# Altium PCB Copy of DIOT_temperature_logger.PcbDoc (part 3 of 7) (continued)
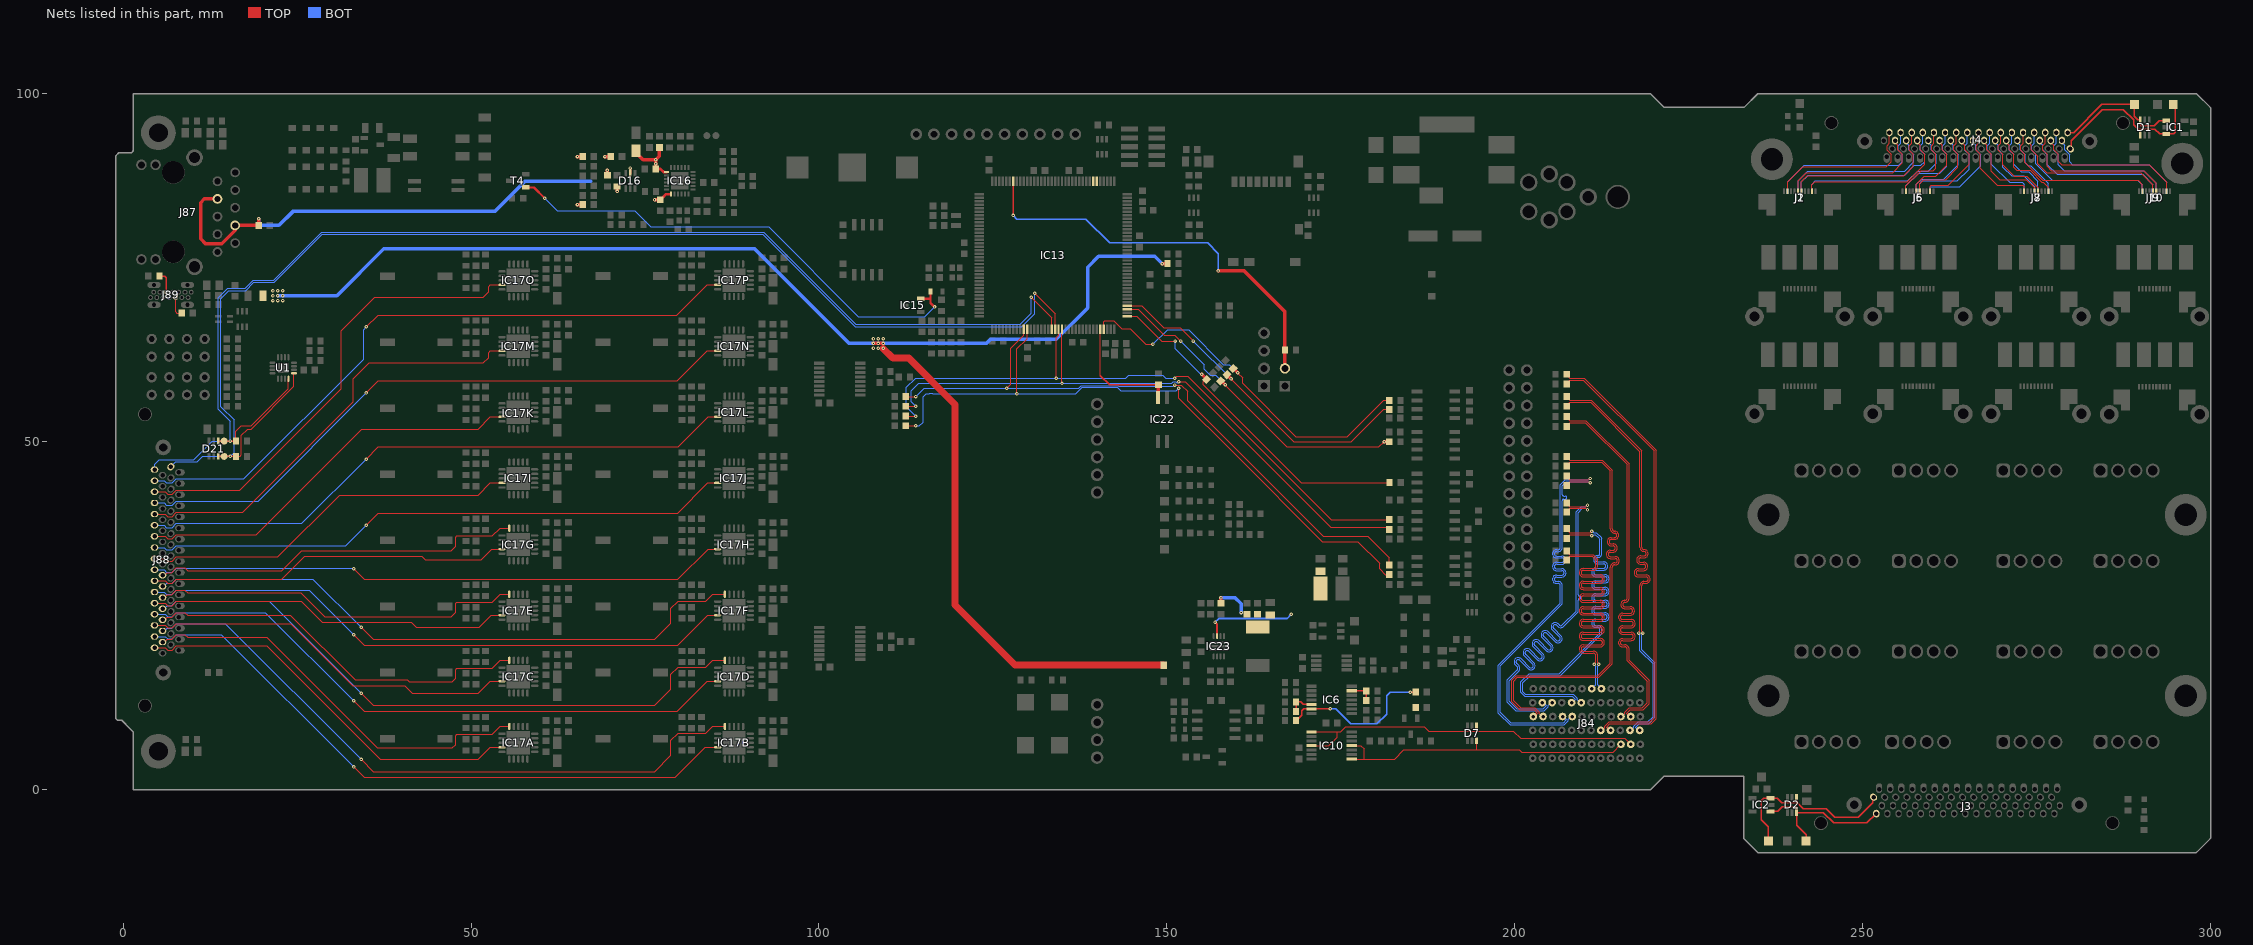
[diagram p5: the nets of this part, all layers, seen from the top]
## Part data (continued)
Q2: library part XTAL_32.768KHZ_ABRACON_ABS06-32.768KHZ-9, "Quartz Crystal", Manufacturer=ABRACON, Manufacturer Part Number=ABS06-32.768kHz-9, Author="CERN DEM JMW", Bonding=No, Component Type=Standard, ComponentHeight=0.6mm, CreateDate=12.08.2015, HelpURL=\\cern.ch\dfs\Applications\Altium\Datasheets\XTAL_ABRACON_ABS06.pdf, LatestRevisionDate=12.08.2015, Mounted=Yes, PackageDescription="2 Pins, 2.15x1.3mm, SMD Low Profile Crystal, ABS06 Series", Part Description="Tolerance: ±20ppm, -40°C to +85°C, 9pF, SMD Low Profile Crystal, ABS06 Series", Part Number=XTAL_32.768KHZ_ABRACON_ABS06-32.768KHZ-9, Pin Count=2, PressFit=No, Sense=No, SMD=Yes, Socket=No
R1 R4 R55 R78 R81 R82 R83 R84 R85 R87 R88 R159 R160: library part R0603_1K_1%_0.1W_100PPM, "Resistor - 1%", Case=0603, Manufacturer=GENERIC, Manufacturer1 ComponentHeight=0.55mm, Manufacturer1 Example="NIC COMPONENT", Manufacturer1 Part Number=NRC06F1001TRF, Power=0.1W, Tolerance=±1%, Author="CERN DEM JLC", Component Type=Standard, CreateDate=03.12.2007, HelpURL=\\cern.ch\dfs\Applications\Altium\Datasheets\R0603_NIC_NRC.pdf, LatestRevisionDate=13.03.2008, Manufacturer Part Number=R0603_1K_1%_0.1W_100PPM, Mounted=Yes, Part Description="General Purpose Thick Film Chip Resistor", Part Number=R0603_1K_1%_0.1W_100PPM, Pin Count=2, PressFit=No, Sense=No, SMD=Yes, Socket=No, Status=Preferred, TC=±100ppm/°C
R2 R3 R5 R6 R8 R10 R12 R14 R15 R16 R17 R18 R19 R20 R23 R24 R25 R26 R32 R33 R99 R120 R121 R122 R123 R124 R125 R126 R127 R128 R129 R130 R131 R132 R133 R134 R135 R136 R140: library part R0603_0R_JUMPER, "Resistor", Case=0603, Manufacturer=GENERIC, Manufacturer1 ComponentHeight=0.55mm, Manufacturer1 Example="NIC COMPONENT", Manufacturer1 Part Number=NRC06Z0, Author="CERN DEM JLC", Component Type=Standard, CreateDate=03.12.2007, HelpURL=\\cern.ch\dfs\Applications\Altium\Datasheets\R0603_NIC_NRC.pdf, LatestRevisionDate=13.03.2008, Manufacturer Part Number=R0603_0R_JUMPER, Mounted=Yes, Part Description="1A (0.05R Max DC Resistance) Zero Ohm Jumper", Part Number=R0603_0R_JUMPER, Pin Count=2, PressFit=No, Sense=No, SMD=Yes, Socket=No, Status=Preferred
R7 R9 R11 R13 R21 R22 R27 R29 R31 R34 R36 R41 R42 R44 R45 R50 R51 R90 R91: library part R0603_100R_1%_0.1W_100PPM, "Resistor - 1%", Case=0603, Manufacturer=GENERIC, Manufacturer1 ComponentHeight=0.55mm, Manufacturer1 Example="NIC COMPONENT", Manufacturer1 Part Number=NRC06F4700TRF, Power=0.1W, Tolerance=±1%, Author="CERN DEM JLC", Component Type=Standard, CreateDate=03.12.2007, HelpURL=\\cern.ch\dfs\Applications\Altium\Datasheets\R0603_NIC_NRC.pdf, LatestRevisionDate=13.03.2008, Manufacturer Part Number=R0603_100R_1%_0.1W_100PPM, Mounted=Yes, Part Description="General Purpose Thick Film Chip Resistor", Part Number=R0603_100R_1%_0.1W_100PPM, Pin Count=2, PressFit=No, Sense=No, SMD=Yes, Socket=No, Status=Preferred, TC=±100ppm/°C
R28 R30 R37 R38 R39 R40 R46 R56 R57 R64 R65 R66 R67 R68 R69 R70 R71 R72 R73 R74 R75 R76 R77 R79 R80 R89 R92 R93 R94 R102 R106 R108 R110 R141 R142 R148 R151 R152: library part R0603_10K_1%_0.1W_100PPM, "Resistor - 1%", Case=0603, Manufacturer=GENERIC, Manufacturer1 ComponentHeight=0.55mm, Manufacturer1 Example="NIC COMPONENT", Manufacturer1 Part Number=NRC06F1002TRF, Power=0.1W, Tolerance=±1%, Author="CERN DEM JLC", Component Type=Standard, CreateDate=03.12.2007, HelpURL=\\cern.ch\dfs\Applications\Altium\Datasheets\R0603_NIC_NRC.pdf, LatestRevisionDate=13.03.2008, Manufacturer Part Number=R0603_10K_1%_0.1W_100PPM, Mounted=Yes, Part Description="General Purpose Thick Film Chip Resistor", Part Number=R0603_10K_1%_0.1W_100PPM, Pin Count=2, PressFit=No, Sense=No, SMD=Yes, Socket=No, Status=Preferred, TC=±100ppm/°C
R35 R43 R58 R59 R60 R61 R62 R63: library part R0603_2K7_1%_0.1W_100PPM, "Resistor - 1%", Case=0603, Manufacturer=GENERIC, Manufacturer1 ComponentHeight=0.55mm, Manufacturer1 Example="YAGEO PHYCOMP", Manufacturer1 Part Number=RC0603FR-072K7L, Power=0.1W, Tolerance=±1%, Author="CERN DEM JLC", Component Type=Standard, CreateDate=02.05.2011, HelpURL=\\cern.ch\dfs\Applications\Altium\Datasheets\R0603_PHYCOMP_RC0603.pdf, LatestRevisionDate=02.05.2011, Manufacturer Part Number=R0603_2K7_1%_0.1W_100PPM, Mounted=Yes, Part Description="General Purpose Thick Film Chip Resistor", Part Number=R0603_2K7_1%_0.1W_100PPM, Pin Count=2, PressFit=No, Sense=No, SMD=Yes, Socket=No, Status=Preferred, TC=±100ppm/°C
R47 R48 R49 R52 R53 R86 R96 R97 R98 R100 R101 R103 R105 R109: library part R0603_33R_1%_0.1W_100PPM, "Resistor - 1%", Case=0603, Manufacturer=GENERIC, Manufacturer1 ComponentHeight=0.55mm, Manufacturer1 Example="NIC COMPONENT", Manufacturer1 Part Number=NRC06F33R0TRF, Power=0.1W, Tolerance=±1%, Author="CERN DEM JLC", Component Type=Standard, CreateDate=03.12.2007, HelpURL=\\cern.ch\dfs\Applications\Altium\Datasheets\R0603_NIC_NRC.pdf, LatestRevisionDate=13.03.2008, Manufacturer Part Number=R0603_33R_1%_0.1W_100PPM, Mounted=Yes, Part Description="General Purpose Thick Film Chip Resistor", Part Number=R0603_33R_1%_0.1W_100PPM, Pin Count=2, PressFit=No, Sense=No, SMD=Yes, Socket=No, Status=Preferred, TC=±100ppm/°C
R54 R112 R113 R114 R115 R154: library part R0603_49K9_1%_0.1W_100PPM, "Resistor - 1%", Case=0603, Manufacturer=GENERIC, Manufacturer1 ComponentHeight=0.55mm, Manufacturer1 Example=VISHAY, Manufacturer1 Part Number=CRCW060349K9FKEA, Power=0.1W, Tolerance=±1%, Author="CERN DEM JLC", Component Type=Standard, CreateDate=16.11.2017, HelpURL="\\cern.ch\dfs\Applications\Altium\Datasheets\R0603_VISHAY_CRCW e3.pdf", LatestRevisionDate=16.11.2017, Manufacturer Part Number=R0603_49K9_1%_0.1W_100PPM, Mounted=Yes, Part Description="General Purpose Thick Film Chip Resistor", Part Number=R0603_49K9_1%_0.1W_100PPM, Pin Count=2, PressFit=No, Sense=No, SMD=Yes, Socket=No, Status=Preferred, TC=±100ppm/°C
R95 R111 R116A R116B R116C R116D R116E R116F R116G R116H R116I R116J R116K R116L R116M R116N R116O R116P R144: library part R0603_442R_0.1%_0.063W_10PPM, "Resistor - 0.1%", Case=0603, Manufacturer=GENERIC, Manufacturer1 ComponentHeight=0.5mm, Manufacturer1 Example="TYCO HOLSWORTHY", Manufacturer1 Part Number=RN73C1J442RBTDF, Power=0.063W, Tolerance=±0.1%, Author="CERN DEM JLC", Component Type=Standard, CreateDate=03.12.2007, HelpURL=\\cern.ch\dfs\Applications\Altium\Datasheets\R0603_Tyco_RN73.pdf, LatestRevisionDate=13.03.2008, Manufacturer Part Number=R0603_442R_0.1%_0.063W_10PPM, Mounted=Yes, Part Description="Thin Film Chip Resistor", Part Number=R0603_442R_0.1%_0.063W_10PPM, Pin Count=2, PressFit=No, Sense=No, SMD=Yes, Socket=No, Status="Not Recommended", TC=±10ppm
R104 R155 R156 R157 R158: library part R0603_12K1_0.1%_0.063W_10PPM, "Resistor - 0.1%", Case=0603, Manufacturer=GENERIC, Manufacturer1 ComponentHeight=0.5mm, Manufacturer1 Example="TYCO HOLSWORTHY", Manufacturer1 Part Number=RN73C1J12K1BTDF, Power=0.063W, Tolerance=±0.1%, Author="CERN DEM JLC", Component Type=Standard, CreateDate=03.12.2007, HelpURL=\\cern.ch\dfs\Applications\Altium\Datasheets\R0603_Tyco_RN73.pdf, LatestRevisionDate=13.03.2008, Manufacturer Part Number=R0603_12K1_0.1%_0.063W_10PPM, Mounted=Yes, Part Description="Thin Film Chip Resistor", Part Number=R0603_12K1_0.1%_0.063W_10PPM, Pin Count=2, PressFit=No, Sense=No, SMD=Yes, Socket=No, Status="Not Recommended", TC=±10ppm
R107: library part R0603_1K5_1%_0.1W_100PPM, "Resistor - 1%", Case=0603, Manufacturer=GENERIC, Manufacturer1 ComponentHeight=0.55mm, Manufacturer1 Example="NIC COMPONENT", Manufacturer1 Part Number=NRC06F1501TRF, Power=0.1W, Tolerance=±1%, Author="CERN DEM JLC", Component Type=Standard, CreateDate=03.12.2007, HelpURL=\\cern.ch\dfs\Applications\Altium\Datasheets\R0603_NIC_NRC.pdf, LatestRevisionDate=13.03.2008, Manufacturer Part Number=R0603_1K5_1%_0.1W_100PPM, Mounted=Yes, Part Description="General Purpose Thick Film Chip Resistor", Part Number=R0603_1K5_1%_0.1W_100PPM, Pin Count=2, PressFit=No, Sense=No, SMD=Yes, Socket=No, Status=Preferred, TC=±100ppm/°C
R117A R117B R117C R117D R117E R117F R117G R117H R117I R117J R117K R117L R117M R117N R117O R117P R139 R146 R149: library part R0603_22K_0.1%_0.1W_25PPM, "Resistor - 0.1%", Case=0603, Manufacturer=GENERIC, Manufacturer1 ComponentHeight=0.55mm, Manufacturer1 Example=PANASONIC, Manufacturer1 Part Number=ERA-3AEB223V, Power=0.1W, Tolerance=±0.1%, Author="CERN DEM HF", Component Type=Standard, CreateDate=18.10.2023, HelpURL=\\cern.ch\dfs\Applications\Altium\Datasheets\R0603_PANASONIC_ERA.pdf, LatestRevisionDate=18.10.2023, Manufacturer Part Number=R0603_22K_0.1%_0.1W_25PPM, Mounted=Yes, Part Description="Thin Film Chip Resistor", Part Number=R0603_22K_0.1%_0.1W_25PPM, Pin Count=2, PressFit=No, Sense=No, SMD=Yes, Socket=No, Status="Not Recommended", TC=±25ppm/°C
R118A R118B R118C R118D R118E R118F R118G R118H R118I R118J R118K R118L R118M R118N R118O R118P: library part R0603_3K92_0.1%_0.063W_10PPM, "Resistor - 0.1%", Case=0603, Manufacturer=GENERIC, Manufacturer1 ComponentHeight=0.5mm, Manufacturer1 Example="TYCO HOLSWORTHY", Manufacturer1 Part Number=RN73C1J3K92BTDF, Power=0.063W, Tolerance=±0.1%, Author="CERN DEM JLC", Component Type=Standard, CreateDate=03.12.2007, HelpURL=\\cern.ch\dfs\Applications\Altium\Datasheets\R0603_Tyco_RN73.pdf, LatestRevisionDate=13.03.2008, Manufacturer Part Number=R0603_3K92_0.1%_0.063W_10PPM, Mounted=Yes, Part Description="Thin Film Chip Resistor", Part Number=R0603_3K92_0.1%_0.063W_10PPM, Pin Count=2, PressFit=No, Sense=No, SMD=Yes, Socket=No, Status="Not Recommended", TC=±10ppm
R119A R119B R119C R119D R119E R119F R119G R119H R119I R119J R119K R119L R119M R119N R119O R119P: library part R0603_10M_1%_0.1W_100PPM, "Resistor - 1%", Case=0603, Manufacturer=GENERIC, Manufacturer1 ComponentHeight=0.55mm, Manufacturer1 Example=VISHAY, Manufacturer1 Part Number=CRCW060310M0FKEA, Power=0.1W, Tolerance=±1%, Author="CERN DEM JLC", Component Type=Standard, CreateDate=12.01.2017, HelpURL="\\cern.ch\dfs\Applications\Altium\Datasheets\R0603_VISHAY_CRCW e3.pdf", LatestRevisionDate=12.01.2017, Manufacturer Part Number=R0603_10M_1%_0.1W_100PPM, Mounted=Yes, Part Description="General Purpose Thick Film Chip Resistor", Part Number=R0603_10M_1%_0.1W_100PPM, Pin Count=2, PressFit=No, Sense=No, SMD=Yes, Socket=No, Status=Preferred, TC=±100ppm/°C
R137 R138: library part R0603_5K1_1%_0.1W_100PPM, "Resistor - 1%", Case=0603, Manufacturer=GENERIC, Manufacturer1 ComponentHeight=0.55mm, Manufacturer1 Example="NIC COMPONENT", Manufacturer1 Part Number=NRC06F5101TRF, Power=0.1W, Tolerance=±1%, Author="CERN DEM JLC", Component Type=Standard, CreateDate=03.12.2007, HelpURL=\\cern.ch\dfs\Applications\Altium\Datasheets\R0603_NIC_NRC.pdf, LatestRevisionDate=13.03.2008, Manufacturer Part Number=R0603_5K1_1%_0.1W_100PPM, Mounted=Yes, Part Description="General Purpose Thick Film Chip Resistor", Part Number=R0603_5K1_1%_0.1W_100PPM, Pin Count=2, PressFit=No, Sense=No, SMD=Yes, Socket=No, Status=Preferred, TC=±100ppm/°C
R143 R145 R150: library part R0603_82K_1%_0.1W_100PPM, "Resistor - 1%", Case=0603, Manufacturer=GENERIC, Manufacturer1 ComponentHeight=0.55mm, Manufacturer1 Example="NIC COMPONENT", Manufacturer1 Part Number=NRC06F8202TRF, Power=0.1W, Tolerance=±1%, Author="CERN DEM JLC", Component Type=Standard, CreateDate=03.12.2007, HelpURL=\\cern.ch\dfs\Applications\Altium\Datasheets\R0603_NIC_NRC.pdf, LatestRevisionDate=13.03.2008, Manufacturer Part Number=R0603_82K_1%_0.1W_100PPM, Mounted=Yes, Part Description="General Purpose Thick Film Chip Resistor", Part Number=R0603_82K_1%_0.1W_100PPM, Pin Count=2, PressFit=No, Sense=No, SMD=Yes, Socket=No, Status=Preferred, TC=±100ppm/°C
R147: library part R0805_10R_1%_0.125W_200PPM, "Resistor - 1%", Case=0805, Manufacturer=GENERIC, Manufacturer1 ComponentHeight=0.6mm, Manufacturer1 Example="NIC COMPONENT", Manufacturer1 Part Number=NRC10F10R0TRF, Power=0.125W, Tolerance=±1%, Author="CERN DEM JLC", Component Type=Standard, CreateDate=03.12.2007, HelpURL=\\cern.ch\dfs\Applications\Altium\Datasheets\R0805_NIC_NRC.pdf, LatestRevisionDate=24.06.2009, Manufacturer Part Number=R0805_10R_1%_0.125W_200PPM, Mounted=Yes, Part Description="General Purpose Thick Film Chip Resistor", Part Number=R0805_10R_1%_0.125W_200PPM, Pin Count=2, PressFit=No, Sense=No, SMD=Yes, Socket=No, Status=Preferred, TC=±200ppm/°C
R153: library part R0603_38K3_0.1%_0.063W_10PPM, "Resistor - 0.1%", Case=0603, Manufacturer=GENERIC, Manufacturer1 ComponentHeight=0.5mm, Manufacturer1 Example="TYCO HOLSWORTHY", Manufacturer1 Part Number=RN73C1J38K3BTDF, Power=0.063W, Tolerance=±0.1%, Author="CERN DEM JLC", Component Type=Standard, CreateDate=03.12.2007, HelpURL=\\cern.ch\dfs\Applications\Altium\Datasheets\R0603_Tyco_RN73.pdf, LatestRevisionDate=13.03.2008, Manufacturer Part Number=R0603_38K3_0.1%_0.063W_10PPM, Mounted=Yes, Part Description="Thin Film Chip Resistor", Part Number=R0603_38K3_0.1%_0.063W_10PPM, Pin Count=2, PressFit=No, Sense=No, SMD=Yes, Socket=No, Status="Not Recommended", TC=±10ppm
ST1: library part SCHROFF_PANEL_3U_4HP_Thermostat, "Schroff 3HP 4U EUROCARD Panel", Manufacturer=Schroff, Manufacturer Part Number=20818-017, Manufacturer Part Number 2=20848-664
SW1A SW1B SW1C SW1D SW1E SW1F SW1G SW1H SW1I SW1J SW1K SW1L SW1M SW1N SW1O SW1P: library part SW_OMRON_A6SN-1101, "1 Ways SPST DIP Switch", Manufacturer=OMRON, Manufacturer Part Number=A6SN-1101, Author="CERN DEM JLC", Component Type=Standard, ComponentHeight=4.6mm, CreateDate=25.02.2013, Family=Switch, HelpURL=\\cern.ch\dfs\Applications\Altium\Datasheets\SW_OMRON_A6SN-1101.pdf, LatestRevisionDate=25.02.2013, Mounted=Yes, PackageDescription="Body 4.48x7.5mm, 1 Way SPST Surface-Mounting Slide Switch With Flat Actuator (A6SN Series)", Part Description="1 Way SPST Surface-Mounting Slide Switch with Flat Actuator, Contact Rating 25mA 24VDC", Part Number=SW_OMRON_A6SN-1101, Pin Count=2, PressFit=No, Sense=No, SMD=Yes, Socket=No, Status=None
T1 T2 T4: "N-CHANNEL MOSFET WITH DIODE", Case=SOT23-3, Manufacturer="ON SEMICONDUCTOR", Manufacturer Part Number=BSS138L, Author="CERN DEM JLC", Bonding=No, Component Type=Standard, ComponentHeight=1.11mm, CreateDate=23.03.2009, Device=BSS138LT1G, HelpURL=\\cern.ch\dfs\Applications\Altium\Datasheets\BSS138LT1G.pdf, LatestRevisionDate=25.05.2022, Mounted=Yes, PackageDescription="SOT23, 0.95mm Pitch; 3 Pin, 1.40mm W X 3.00mm L X 1.10mm H body, IPC Medium Density", Part Description="50V, 200mA N-Channel Enhancement Mode Field-Effect Transistor", Part Number=BSS138LT1G, Pin Count=3, PressFit=No, Sense=No, SMD=Yes, Socket=No
T3: "N-CHANNEL MOSFET WITH DIODE", Case=SOT23-3, Manufacturer="ON SEMICONDUCTOR", Author="CERN DEM BC", Bonding=No, Component Type=Standard, ComponentHeight=1.12mm, ComponentLink1Description="Package Drawing", ComponentLink1URL=\\cern.ch\dfs\Applications\Altium\Datasheets\FDN86246_Package.pdf, CreateDate=10.10.2019, Device=FDN86246, HelpURL=\\cern.ch\dfs\Applications\Altium\Datasheets\FDN86246.pdf, LatestRevisionDate=10.10.2019, Manufacturer Part Number=FDN86246, Mounted=Yes, PackageDescription="SOT23, 0.95mm Pitch; 3 Pin, 1.30mm W X 2.92mm L X 1.12mm H body, IPC Medium Density", Part Description="150V, 1.6A, N-Channel Power Trench® MOSFET", Part Number=FDN86246, Pin Count=3, PressFit=No, Sense=No, SMD=Yes, Socket=No
TP1 TP2 TP3 TP4 TP5 TP6 TP7 TP8 TP9 TP10 TP11 TP12 TP13 TP14 TP15 TP16: library part SMD_PAD_1.27X1.27MM, Author="CERN DEM JLC", Component Type="Standard (No BOM)", ComponentHeight=0mm, CreateDate=12.01.2008, Family="Test Point", HelpURL=Undefined, LatestRevisionDate=12.01.2008, Mounted=No, PackageDescription="1.27mm x 1.27mm PCB Copper Area (SMD Test Point)", Part Description="1.27mm x 1.27mm PCB Copper Area (SMD Test Point)", Part Number=SMD_PAD_1.27X1.27MM, Pin Count=1, Sense=No, SMD=Yes, Socket=No, Status=None
U1: "PCA9554A Remote 8-Bit I2C and SMBus I/O Expander With Interrupt Output and  Configuration Registers", Manufacture=NXP, Tolerance1="± %", Value1=8, Assembly=SMD, ComponentLink1Description=Datasheet, ComponentLink1URL=https://www.ti.com/lit/ds/symlink/pca9554a.pdf?ts=1651135620842&ref_url=https%253A%252F%252Fwww.google.com%252F, ComponentSymbol=PCA9554A, ComponentType=IC, DafaultFootprint=HVQFN-16, Parameter1="Number of I/O", Replacement=PCA9554ABS3,118, Tolerance2="± %"
W1: library part SAMTEC_MTLW-110-07-L-S-250, "10 Mini Wire-Wrap Contact Strip Header", Manufacturer=SAMTEC, Manufacturer Part Number=MTLW-110-07-L-S-250, Author="CERN DEM JLC", ComponentHeight=7.87mm, Component Type=Standard, CreateDate=01.11.2017, Family="Header 10", HelpURL=\\cern.ch\dfs\Applications\Altium\Datasheets\SAMTEC_MTLW-110-07-L-S-250.pdf, LatestRevisionDate=01.11.2017, Mounted=Yes, Part Description="10 Contacts, Pitch 2.54mm, Single Row Through Mount Straight Header (Post Lead = 6.35mm, Tail Lead 3.05mm, Insulator 1.52mm)", Part Number=SAMTEC_MTLW-110-07-L-S-250, Pin Count=10, PressFit=No, Sense=No, SMD=No, Socket=No, Status=None
W2: library part SAMTEC_HTSW-104-23-L-S, "4 Mini Wire-Wrap Contact Strip Header", Manufacturer=SAMTEC, Manufacturer Part Number=HTSW-104-23-L-S, Author="CERN DEM JLC", Component Type=Standard, ComponentHeight=8.38mm, CreateDate=22.02.2018, Family="Header 4", HelpURL=\\cern.ch\dfs\Applications\Altium\Datasheets\SAMTEC_HTSW-104-23-L-S.pdf, LatestRevisionDate=22.02.2018, Mounted=Yes, Part Description="4 Contacts, Pitch 2.54mm, Single Row  Through Mount Straight Header (Post Lead 5.84mm, Tail Lead 2.92mm, Insulator 2.54mm)", Part Number=SAMTEC_HTSW-104-23-L-S, Pin Count=4, PressFit=No, Sense=No, SMD=No, Socket=No, Status=Preferred, Status Comment="High Temperature"

## Free pads (board coordinates)
  round 2.7 hole 1.5: MH(234.5,54) MH(234.5,68) MH(247.5,68) MH(251.5,54) MH(251.5,68) MH(264.5,54) MH(264.5,68) MH(268.5,54) MH(268.5,68) MH(281.5,54) MH(281.5,68) MH(285.5,53.925) MH(285.5,68) MH(298.5,53.925) MH(298.5,68)
  round 6 hole 3.2: MH(236.5,13.5) MH(236.5,39.5) MH(237,90.6) MH(296,90) MH(296.5,39.5) MH(296.5,13.5)

## Via types
v1: diameter 0.5, hole 0.2, TOP to BOT, tented both sides, 1333 vias
v2: diameter 0.66, hole 0.33, TOP to BOT, tented both sides, 6 vias
v3: diameter 0.6, hole 0.3, TOP to BOT, tented both sides, 6 vias

## Nets (pads, with @x,y where several pads share a name; then routed paths per layer and width w, separated by ;. In a path a pad name is that pad's centre, name@x,y a point inside that pad or via, vN(x,y) a via of type N, cw(c..) or ccw(c..) an arc to the next point about the centre after c; other vN are vias at no path point)
3V3: C80.2 C81.2 C82.2 C83.2 IC23.6 L9.1 L10.2 R153.2 | length 18.9
  TOP w0.254: v1(156.95,24.05) 157.25,23.75 IC23.6@157.25,22.05
  TOP w0.5: R153.2@157.8,26.8 v1(157.8,27.6)
  BOT w0.254: v1(156.95,24.05) 157.475,24.575 167.3,24.575 v1(167.9,25.175)
  BOT w0.5: v1(157.8,27.6) 159.825,27.6 160.725,26.7 v1(160.725,25.45)
5V0_USB: D27.2 F1.1 R139.2 | length 222.7
  TOP w0.5: v1(107.85,64.125) v1(108.55,64.125) v1(109.25,64.125) ; v1(149.35,75.6) R139.2@150.1,75.6
  TOP w1: v1(109.25,63.425) 110.625,62.05 112.925,62.05 119.6,55.375 119.6,26.5 128.2,17.9 D27.2@149.525,17.9
  BOT w0.5: v1(22.225,71) v1(22.925,71) ; v1@22.95,70.975 30.725,70.975 37.475,77.725 90.75,77.725 104.35,64.125 v1(107.85,64.125) v1(108.55,64.125) v1(109.25,64.125) ; v1@109.275,64.15 124.1,64.15 124.675,64.725 134.125,64.725 138.625,69.225 138.625,75.075 140.2,76.65 148.3,76.65 v1(149.35,75.6)
  other v1: 107.85,63.425 108.55,63.425 107.85,64.825 108.55,64.825 109.25,64.825 21.525,70.3 22.225,70.3 22.925,70.3 21.525,71 21.525,71.7 22.225,71.7 22.925,71.7
AFE_SCL: B2.1 D21.1 IC13.54 J88.68 R80.2 U1.12 | length 184.8
  TOP w0.152: R80.2@16.2,50.1 16.2,51.525 16.975,52.3 18.4,52.3 23.75,57.65 U1.12@23.75,59.05 ; v1(130.55,70.75) 133.45,67.85 IC13.54@133.45,66.175
  TOP w0.203: D21.1@13.65,50.1 B2.1@14.5,50.1 v1(15.4,50.1) R80.2@16.2,50.1
  BOT w0.152: J88.68@4.5,45.995 4.525,46.02 4.525,46.796 5.155,47.425 10.125,47.425 12.8,50.1 15.359,50.1 v1@15.38,50.08 ; v1(15.4,50.1) 15.4,52.941 13.694,54.647 13.694,70.719 15.025,72.05 17.525,72.05 18.675,73.2 21.62,73.2 28.52,80.1 92.075,80.1 105.3,66.875 128.975,66.875 130.55,68.45 v1(130.55,70.75)
AFE_SCL1: D2.3 IC2.1 J3.68 TP6.1 | length 22
  TOP w0.2: IC2.1@236.8,-3.15 237.85,-3.15 238.5,-2.5 240.433,-2.5 240.55,-2.617 D2.3@240.55,-3.3 ; TP6.1@241.9,-7.4 241.9,-6.5 240.55,-5.15 D2.3@240.55,-3.3 ; J3.68@252.005,-3.45 250.654,-4.8 245.906,-4.8 244.406,-3.3 D2.3@240.55,-3.3
AFE_SCL2: D1.3 IC1.1 J4.68 TP2.1 | length 18.9
  TOP w0.2: J4.68@279.495,94.45 280.375,94.45 284.425,98.5 TP2.1@289.1,98.5 289.1,96.775 289.575,96.3 D1.3@289.95,96.3 289.95,95.575 290.075,95.45 291.949,95.45 292.65,96.15 IC1.1@293.7,96.15
AFE_SDA: B1.1 D21.6 IC13.55 J88.34 R79.2 U1.13 | length 187.8
  TOP w0.127: R79.2@16.2,47.9 16.8,47.9 17,48.1 17,50.9 17.925,51.825 18.425,51.825 24.55,57.95 U1.13@24.55,59.85
  TOP w0.152: v1(131.05,71.325) 133.95,68.425 IC13.55@133.95,66.175
  TOP w0.203: D21.6@13.65,47.9 B1.1@14.5,47.9 R79.2@16.2,47.9
  BOT w0.152: J88.34@6.85,46.395 7.553,47.098 10.636,47.098 11.438,47.9 v1(15.4,47.9) 15.928,48.428 15.928,53.184 14.05,55.062 14.05,70.575 15.2,71.725 17.6,71.725 18.786,72.911 21.736,72.911 28.625,79.8 91.925,79.8 105.2,66.525 129.15,66.525 131.05,68.425 v1(131.05,71.325)
AFE_SDA1: D2.4 IC2.3 J3.34 TP5.1 | length 26.1
  TOP w0.2: TP5.1@236.5,-7.4 236.5,-5.325 235.5,-4.325 235.5,-1.575 235.825,-1.25 IC2.3@236.8,-1.25 237.75,-1.25 238.4,-1.9 240.433,-1.9 ; D2.4@240.55,-1.1 240.55,-1.783 240.433,-1.9 ; J3.34@251.605,-1.1 251.475,-1.229 251.475,-1.925 249.4,-4 246.05,-4 244.825,-2.775 241.5,-2.775 240.625,-1.9 240.433,-1.9
AFE_SDA2: D1.4 IC1.3 J4.34 TP1.1 | length 24.8
  TOP w0.2: J4.34@279.895,92.1 280.024,92.229 280.024,93.299 284.475,97.75 287.5,97.75 289,96.25 289,95.6 289.65,94.95 289.95,94.95 ; D1.4@289.95,94.1 289.95,94.95 ; TP1.1@295,98.4 295,94.5 294.75,94.25 IC1.3@293.7,94.25 292.75,94.25 292.05,94.95 289.95,94.95
AT_EVENT: IC13.68 IC22.4 R148.1 | length 17.4
  TOP w0.171: 140.45,59.509 IC13.68@140.45,66.175
  TOP w0.2: 140.45,59.509 141.794,58.165 R148.1@148.765,58.165
  TOP w0.5: IC22.4@148.765,56.35 R148.1@148.765,58.165
AVDDT_PHY: C51.2 C53.1 C54.2 C55.2 C92.2 D16.5 IC16.1 IC16.19 J87.4 J87.7 L3.2 R112.2 R113.2 R114.2 R115.2 | length 85.5
  TOP w0.3: D16.5@72.906,88.592 v1(72.906,89.342)
  TOP w0.4: C54.2@76.575,89.2 77.25,89.2 77.7,88.75 IC16.19@78.1,88.75 ; C55.2@77.595,85.145 78.034,85.584 IC16.1@78.675,85.584
  TOP w0.5: J87.7@13.55,84.905 11.655,84.905 11.131,84.381 11.131,79.169 11.823,78.477 14.152,78.477 16.08,80.405 16.08,81.085 J87.4@16.09,81.095 16.095,81.1 C51.2@19.475,81.1 v1(19.475,82.075) ; v1(65.3,84.1) R113.2@66.05,84.1 ; v1(65.3,91) R115.2@66.05,91 ; v1(69.25,91) C92.2@70.1,91 ; R112.2@69.6,88.3 v1(69.6,89.025) ; v1(71,85.975) R114.2@71,86.7 ; C53.1@73.7,91.8 73.7,91.55 74.725,90.525 v1(76.575,90.525) ; v1(76.375,84.8) C55.2@77.2,84.8 ; C54.2@76.575,89.2 v1(76.575,89.975) v1(76.575,90.525) ; L3.2@77.075,92.3 77.075,91.025 v1(76.575,90.525)
  BOT w0.5: v1(19.475,82.075) 19.475,81.095 22.395,81.095 24.4,83.1 53.4,83.1 57.75,87.45 67.175,87.45
BOOT0: IC13.138 JP1.2 R56.2 | length 59.3
  TOP w0.2: v1(127.95,82.525) IC13.138@127.95,87.425
  TOP w0.5: v1(157.4,74.55) 161.15,74.55 167,68.7 R56.2@167,63.2 JP1.2@167,60.54
  BOT w0.2: v1(127.95,82.525) 128.475,82 138.375,82 141.8,78.575 155.875,78.575 157.4,77.05 v1(157.4,74.55)
BP_I2C.SCL: D7.1 IC10.8 IC10.11 J84.B2 | length 53.1
  TOP w0.152: IC10.11@170.8,6.325 173.325,6.325 174.525,7.525 174.525,8.275 ; IC10.8@170.8,8.275 174.525,8.275 ; D7.1@194.55,9.2 194.55,8.375 ; J84.B2@216.7,6.5 215.85,7.35 214.445,7.35 214.441,7.346 201.334,7.346 201.33,7.35 200.875,7.35 199.85,8.375 194.55,8.375 ; 174.525,8.275 175,8.275 175.75,9.025 187,9.025 187.65,8.375 194.55,8.375
BP_I2C.SDA: D7.6 IC10.1 IC10.4 J84.C2 | length 44.6
  TOP w0.152: IC10.1@176.6,4.375 178.375,4.375 ; IC10.4@176.6,6.325 177.9,6.325 178.375,5.85 178.375,4.375 ; D7.6@194.55,7 194.55,5.7 ; J84.C2@215.3,6.5 214.196,5.396 201.017,5.396 200.713,5.7 194.55,5.7 ; 178.375,4.375 182.775,4.375 184.1,5.7 194.55,5.7
BP_IO.GA0: IC6.6 R46.2 R47.2 | length 3.5
  TOP w0.2: IC6.6@176.6,14.2 R47.2@178.7,14.2 R46.2@178.7,12.8
BP_IO.GA1: IC6.12 R40.2 R48.2 | length 3.7
  TOP w0.2: R40.2@168.6,11.2 R48.2@168.6,12.6 169.25,12.6 169.6,12.25 IC6.12@170.8,12.25
BP_IO.GA2: IC6.13 R30.2 R49.2 | length 22.6
  TOP w0.2: R30.2@168.6,9.9 169.4,10.7 169.4,11.3 169.7,11.6 IC6.13@170.8,11.6 173.475,11.6 v1(173.5,11.625) ; v1(185,14) R49.2@185.8,14
  BOT w0.2: v1(173.5,11.625) 174.275,11.625 176.471,9.429 180.217,9.429 181.598,10.81 181.598,13.498 182.1,14 v1(185,14)
BP_IO.GA3: R53.2
BP_IO.LVDS0_N: J84.E3 R6.1 | length 64.1
  TOP w0.127: R6.1@207.5,58.3 207.887,58.687 207.887,58.786 207.961,58.86 209.908,58.86 220.1,48.668 220.1,10.301 219.526,9.726 213.584,9.726 212.96,9.103 212.96,8.882 212.579,8.5 J84.E3@212.4,8.5
BP_IO.LVDS0_P: J84.D3 R5.1 | length 64.5
  TOP w0.127: R5.1@207.5,59.7 207.887,59.313 207.887,59.214 207.961,59.14 210.023,59.14 220.379,48.784 220.379,10.185 219.642,9.447 213.7,9.447 213.24,8.987 213.24,8.882 213.621,8.5 J84.D3@213.8,8.5
BP_IO.LVDS1_N: J84.B3 R10.1 | length 63.2
  TOP w0.127: R10.1@207.5,55.1 207.887,55.487 207.887,55.586 207.961,55.66 210.932,55.66 218.008,48.585 218.008,46.194 218.008,34.819 ccw(c218.605,34.819) 218.605,34.222 cw(c218.605,33.905) 218.605,33.587 218.148,33.587 ccw(c218.148,32.99) 218.148,32.393 218.552,32.393 cw(c218.552,32.076) 218.552,31.758 217.78,31.758 ccw(c217.78,31.161) 217.78,30.565 218.902,30.565 cw(c218.902,30.247) 218.902,29.93 218.605,29.93 ccw(c218.605,29.333) 218.008,29.333 218.008,28.215 218.008,22.761 217.834,22.587 v1(217.834,22.5)
  BOT w0.127: J84.B3@216.6,8.5 216.779,8.5 217.16,8.882 217.16,9.103 217.784,9.726 219.144,9.726 219.908,10.49 219.908,18.079 218.008,19.979 218.008,22.239 217.834,22.413 v1(217.834,22.5)
BP_IO.LVDS1_P: J84.A3 R8.1 | length 63.7
  TOP w0.127: R8.1@207.5,56.5 207.887,56.113 207.887,56.014 207.961,55.94 211.048,55.94 218.288,48.7 218.288,46.194 218.288,34.819 ccw(c218.605,34.819) 218.605,34.502 cw(c218.605,33.905) 218.605,33.308 218.148,33.308 ccw(c218.148,32.99) 218.148,32.673 218.552,32.673 cw(c218.552,32.076) 218.552,31.479 217.78,31.479 ccw(c217.78,31.161) 217.78,30.844 218.902,30.844 cw(c218.902,30.247) 218.902,29.65 218.605,29.65 ccw(c218.605,29.333) 218.288,29.333 218.288,28.215 218.288,22.761 218.461,22.587 v1(218.461,22.5)
  BOT w0.127: J84.A3@218,8.5 217.821,8.5 217.44,8.882 217.44,8.987 217.9,9.447 219.26,9.447 220.187,10.375 220.187,18.195 218.288,20.095 218.288,22.239 218.461,22.413 v1(218.461,22.5)
BP_IO.LVDS2_N: J84.C4 R14.1 | length 63.1
  TOP w0.127: R14.1@207.5,52.2 207.887,52.587 207.887,52.686 207.961,52.76 210.158,52.76 216.19,46.728 216.19,46.076 216.19,27.508 cw(c215.872,27.508) 215.872,27.191 ccw(c215.872,26.594) 215.872,25.997 216.667,25.997 cw(c216.667,25.679) 216.667,25.362 215.533,25.362 ccw(c215.533,24.765) 215.533,24.168 216.76,24.168 cw(c216.76,23.851) 216.76,23.533 215.533,23.533 ccw(c215.533,22.936) 215.533,22.339 216.76,22.339 cw(c216.76,22.022) 216.76,21.704 215.533,21.704 ccw(c215.533,21.107) 215.533,20.511 215.872,20.511 cw(c215.872,20.193) 216.19,20.193 216.19,19.99 216.19,18.502 219.113,15.579 219.113,12.464 218.375,11.726 216.484,11.726 215.86,11.103 215.86,10.882 215.479,10.5 J84.C4@215.3,10.5
BP_IO.LVDS2_P: J84.B4 R12.1 | length 63.5
  TOP w0.127: R12.1@207.5,53.6 207.887,53.214 207.887,53.114 207.961,53.04 210.273,53.04 216.469,46.844 216.469,46.076 216.469,27.508 cw(c215.872,27.508) 215.872,26.911 ccw(c215.872,26.594) 215.872,26.276 216.667,26.276 cw(c216.667,25.679) 216.667,25.083 215.533,25.083 ccw(c215.533,24.765) 215.533,24.448 216.76,24.448 cw(c216.76,23.851) 216.76,23.254 215.533,23.254 ccw(c215.533,22.936) 215.533,22.619 216.76,22.619 cw(c216.76,22.022) 216.76,21.425 215.533,21.425 ccw(c215.533,21.107) 215.533,20.79 215.872,20.79 cw(c215.872,20.193) 216.469,20.193 216.469,19.99 216.469,18.617 219.392,15.695 219.392,12.348 218.491,11.447 216.6,11.447 216.14,10.987 216.14,10.882 216.521,10.5 J84.B4@216.7,10.5